# Altium PCB spin5v1_simple.PcbDoc (part 14 of 25)
Units mm, origin at the board's own origin, x right, y up, seen from the top; angles counter-clockwise.
Board outline 220.03 x 233.43 mm, 2 copper layers (TOP, BOTTOM), stack 0.176 mm thick; 1457 components, 4724 nets, 19245 pads, 25289 vias.
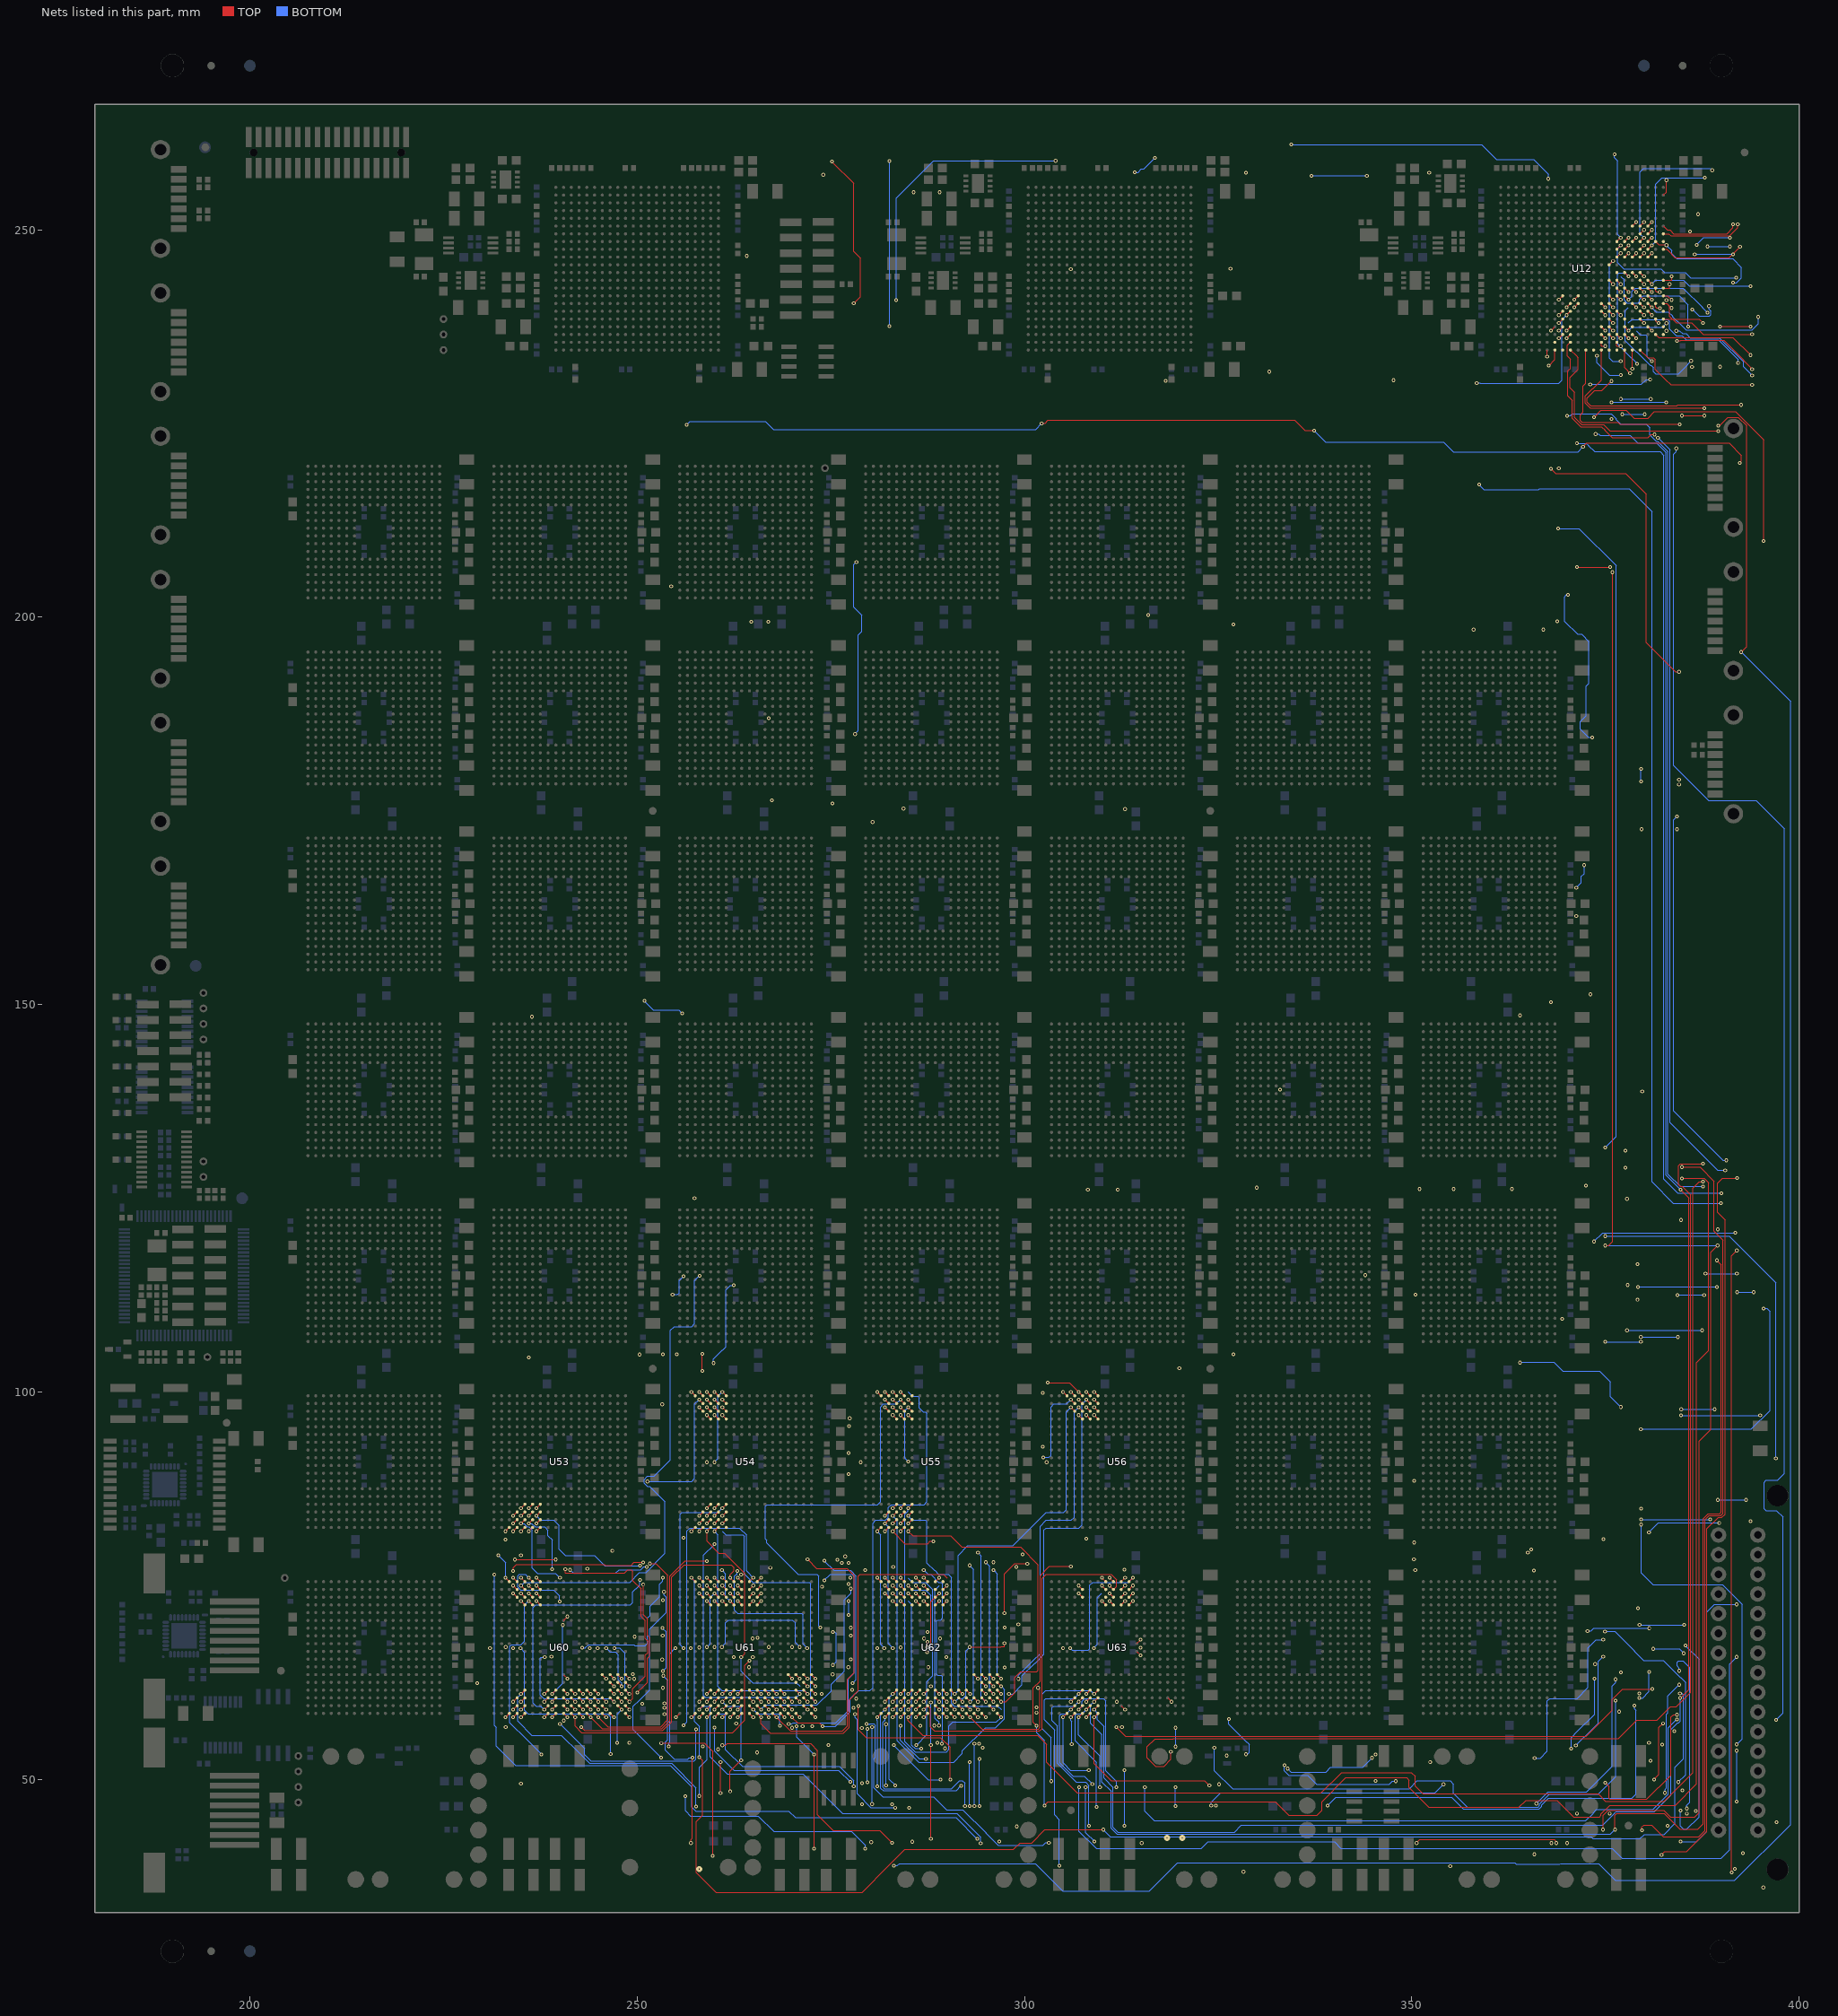
[diagram p14: the nets of this part, all layers, seen from the top]

## Via types
v1: diameter 0.48, hole 0.25, TOP to BOTTOM, 22348 vias
v2: diameter 0.61, hole 0.3, TOP to BOTTOM, 2059 vias
v3: diameter 0.8, hole 0, TOP to BOTTOM, 882 vias

## Nets (pads, with @x,y where several pads share a name; then routed paths per layer and width w, separated by ;. In a path a pad name is that pad's centre, name@x,y a point inside that pad or via, vN(x,y) a via of type N, cw(c..) or ccw(c..) an arc to the next point about the centre after c; other vN are vias at no path point) (continued)
S34_L4<14>: U12.AB12 U63.B5 | length 232.5
  TOP w0.127: v1(301.581,56.913) 301.15,57.344 301.15,61.793 302.027,62.67 302.027,76.252 303.234,77.459 v1(306,77.459) ; v1(302.603,46.6) 303.067,47.064 332.425,47.064 334.162,45.327 337.761,45.327 338.411,45.977 338.411,47.101 341.504,50.194 349.341,50.194 349.646,49.889 349.646,48.957 352.235,46.368 363.873,46.368 364.783,47.278 368.772,47.278 370.911,45.139 374.271,45.139 374.47,45.338 374.47,45.504 375.613,46.647 384.064,46.647 386.795,49.378 386.795,103.778 388.362,105.345 388.362,126.987 387.79,127.559 v1(384.887,127.559) ; U12.AB12@372.5,234.5 372.5,230.19 372.15,229.84 372.15,226.466 371.769,226.085 371.769,225.409 372.023,225.155 376.653,225.155 376.9,224.908 v1(384.614,224.908)
  BOTTOM w0.127: v1(301.581,56.913) 301.581,56.018 302.603,54.996 v1(302.603,46.6)
  other v1: 307,75
S34_L4<15>: U12.AB13 U63.C5
  other v1: 307,74 308.2,126.1 312.065,126.1 327,199.065 368.8,199.48 316,200.296
S34_L5<0>: U12.R9 U63.R5 | length 159.3
  BOTTOM w0.127: v1(304.506,38.835) 304.506,44.788 303.896,45.398 303.896,56.367 302.569,57.694 302.569,60.232 302.768,60.431 306.431,60.431 v1(307,61) ; v1(368.9,211.456) 371.625,211.456 376.388,206.693 376.388,132.942 v1(375,131.554) ; v1(375,120.11) 391.004,120.11 397.037,114.077 v1(397.037,91.399)
  other v1: 369,241
S34_L5<1>: U12.R11 U63.V3 | length 9.6
  BOTTOM w0.127: v1(305,58) 305,52.103 305.953,51.15 v1(308.315,51.15)
  other v1: 371,241
S34_L5<2>: U12.T10 U63.V4 | length 43.6
  BOTTOM w0.127: v1(306,58) 306,57.569 306.116,57.453 v1(306.116,54.517) ; v1(334.445,261.03) 359.021,261.03 360.976,259.075 365.737,259.075 367.642,257.17 v1(367.642,256.607) ; v1(386.8,248.065) 387.732,248.997 v1(391.1,248.997)
  other v1: 370,240
S34_L5<3>: U12.T11 U63.U4 | length 56.9
  BOTTOM w0.127: v1(306,59) 305.431,58.431 304.768,58.431 304.569,58.232 304.569,52.112 306.284,50.397 307.748,50.397 v1(308.765,49.38) ; v1(370.2,202.902) 370.009,202.902 369.769,202.662 369.769,199.474 371.42,197.823 371.943,197.823 372.896,196.87 372.896,191.47 372.53,191.104 372.53,187.299 371.754,186.523 371.754,185.577 372.834,184.497 v1(373.317,184.497) ; v1(371.252,165.085) 371.922,165.755 371.922,166.526 372.274,166.878 v1(372.274,168) ; v1(373.542,119.409) 374.674,120.541 v1(391.78,120.541)
  other v1: 391.75,38.435 354.978,38.766 372.516,126.639 369,219.24 371,240
S34_L5<4>: U12.U9 U63.T4
  other v1: 306,60 379.231,72.092 379.613,84.921 379.17,111.896 377.9,113.798 377.601,128.94 377.581,131.14 369,239
S34_L5<5>: U12.U10 U63.V5 | length 150.5
  BOTTOM w0.127: v1(307,58) 307,55.72 309.751,52.969 v1(309.751,48.965) ; v1(358.4,230.23) 358.831,230.23 358.89,230.171 368.986,230.171 369.431,230.616 369.431,238.431 v1(370,239) ; v1(358.717,217.131) 359.348,216.5 366.39,216.5 366.506,216.616 378.075,216.616 381.06,213.631 381.06,127.097 383.791,124.366 v1(389.932,124.366)
S34_L5<6>: U12.V9 U63.U5 | length 26.5
  BOTTOM w0.127: v1(307,59) 307.431,59.431 307.431,60.05 307.812,60.431 310.195,60.431 310.513,60.113 310.513,51.063 310.91,50.666 310.93,50.666 311.883,49.713 v1(311.883,48.98) ; v1(379.21,113.541) v1(389.4,113.541)
  other v1: 315.141,41.765 370.065,41.765 375.8,225.586 369,238
S34_L5<7>: U12.W9 U63.T5 | length 135.9
  BOTTOM w0.127: v1(307,60) 306.431,59.431 303.768,59.431 303.569,59.232 303.569,57.539 304.253,56.855 304.253,52.048 306.666,49.635 307.889,49.635 308.334,49.19 v1(308.334,44) ; v1(370.054,226.016) 370.485,226.016 370.709,226.24 375.802,226.24 376.437,225.605 376.437,225.48 377.009,224.908 380.311,224.908 380.756,224.463 380.756,223.566 381.582,222.74 381.754,222.74 383.088,221.406 383.088,128.109 384.676,126.521 v1(387.6,126.521)
  other v1: 383.063,43.987 369,237
S34_L5<8>: U12.W10 U63.R7 | length 74.9
  BOTTOM w0.127: v1(303.465,49.75) 303.465,55.373 302.315,56.523 302.315,60.986 302.76,61.431 308.569,61.431 v1(309,61) ; v1(373.931,233.754) 373.931,232.849 375.519,231.261 v1(377.001,231.261) ; v1(377.001,228.18) v1(380.871,228.18) ; v1(384.256,174.284) 383.825,173.853 383.825,136.24 390.175,129.89 v1(390.637,129.89)
  other v1: 324.733,46.6 370,237
S34_L5<9>: U12.Y9 U63.V6 | length 12.2
  BOTTOM w0.127: v1(373.05,230.061) 379.643,230.061 380.273,230.691 v1(380.806,230.691) ; v1(379.402,60.478) 379.835,60.478 380.661,61.304 v1(380.661,63.839)
  other v1: 308,58 369,236
S34_L5<10>: U12.Y10 U63.U6 | length 128.2
  BOTTOM w0.127: v1(308,59) 307.431,58.431 306.768,58.431 306.569,58.232 306.569,54.958 309.32,52.207 v1(309.32,46.425) ; v1(371.326,222.448) 372.557,222.448 372.811,222.194 372.811,222.164 373.605,221.37 382.072,221.37 382.58,220.862 382.58,127.437 384.358,125.659 v1(390.013,125.659)
  other v1: 370,236
S34_L5<11>: U12.AA8 U63.T6 | length 29
  TOP w0.127: v1(371.343,206.465) v1(375.613,206.465) ; v1(375.8,230.492) 375.262,229.954 375.262,229.952 374.563,229.253 373.622,229.253 372.669,228.3 372.669,227.763 373.114,227.318 384.262,227.318 384.362,227.418 v1(392.558,227.418)
  other v1: 312.6,56.715 308,60
S34_L5<12>: U12.AA10 U63.R6 | length 30.5
  TOP w0.127: U12.AA10@370.5,235.5 370.108,235.108 370.108,233.704 370.496,233.316 370.496,232.128 370.18,231.812 370.18,228.593 370.75,228.023 370.75,225.675 371.83,224.595 374.495,224.595 374.94,224.15 374.94,224.137 375.893,223.184 380.497,223.184 380.914,223.601 v1(381.345,223.601)
  BOTTOM w0.127: v1(372.715,69.12) 373.146,69.12 373.525,69.499 v1(380.69,69.499)
  other v1: 308,61
S34_L5<13>: U12.AB8 U63.V7 | length 80.6
  TOP w0.127: v1(309,58) 309,52.034 311.223,49.811 323.264,49.811 v1(323.895,49.18) ; v1(368,219.152) 368.582,218.57 377.624,218.57 380.291,215.903 380.291,196.709 384.038,192.962 v1(384.519,192.962) ; v1(374.976,49.55) 375.486,49.04 375.486,47.536 375.613,47.409 380.376,47.409 383.488,50.521 383.488,58.006 383.806,58.324 v1(384.253,58.324)
  other v1: 367.699,232.468 367.5,233.625 368,237
S34_L5<14>: U12.AB9 U63.U7 | length 276.1
  TOP w0.127: v1(384.684,60.478) 385.779,61.573 385.779,125.041 v1(384.73,126.09)
  BOTTOM w0.127: v1(309,59) 309.431,58.569 309.431,57.658 310.259,56.83 310.259,50.158 311.452,48.965 311.452,43.804 312.087,43.169 327.119,43.169 328.001,44.051 374.673,44.051 376.261,45.639 376.261,45.691 376.388,45.818 381.321,45.818 383.48,47.977 383.48,56.397 384.369,57.286 384.485,57.286 384.684,57.485 v1(384.684,60.478) ; v1(373.747,223.656) 374.178,223.656 374.355,223.479 378.204,223.479 379.197,222.486 381.627,222.486 382.834,221.279 382.834,127.986 v1(384.73,126.09)
  other v1: 313,59
S34_L5<15>: U12.AB10 U63.T7 | length 201.6
  TOP w0.127: U12.AB10@370.5,234.5 371.236,233.764 371.242,233.764 371.496,233.51 371.496,231.993 370.434,230.931 370.434,229.609 371.004,229.039 371.004,225.802 371.957,224.849 374.797,224.849 375.194,224.452 375.194,224.443 375.591,224.046 v1(389.6,224.046) ; v1(376.26,43.498) 376.26,45.365 376.459,45.564 382.598,45.564 384.619,43.543 386.927,43.543 387.626,44.242 387.626,83.648 388.261,84.283 389.764,84.283 389.963,84.482 389.963,116.43 v1(389.404,116.989)
  BOTTOM w0.127: v1(309,60) 308.568,59.568 308.568,57.201 310.005,55.764 310.005,49.65 311.198,48.457 311.198,43.677 311.96,42.915 375.677,42.915 v1(376.26,43.498)
S35_L0<0>: U62.R11 U63.D11
  other v1: 290,61 314,73
S35_L0<1>: U62.V10 U63.A10
  other v1: 289,58 313,76
S35_L0<2>: U62.U10 U63.B10
  other v1: 289,59 313,75
S35_L0<3>: U62.T10 U63.C10 | length 8.6
  TOP w0.127: v1(297.431,71.43) 297.431,76.489 298.765,77.823 v1(300.375,77.823)
  other v1: 289,60 313,74 312.931,77.062
S35_L0<4>: U62.R10 U63.D10
  other v1: 289,61 313,73
S35_L0<5>: U62.V11 U63.A11 | length 16.9
  BOTTOM w0.127: v1(305.901,66.931) 306.196,66.636 308.232,66.636 308.431,66.835 308.431,75.05 308.812,75.431 313.431,75.431 v1(314,76)
  other v1: 290,58 319,60 315,66 315,68
S35_L0<6>: U62.U11 U63.B11
  other v1: 290,59 314.992,66.965 314,75
S35_L0<7>: U62.T11 U63.C11
  other v1: 290,60 314,74
S35_L0<8>: U62.R9 U63.D9
  other v1: 287,61 311,73
S35_L0<9>: U62.V8 U63.A8
  other v1: 286,58 310,76
S35_L0<10>: U62.U8 U63.B8
  other v1: 286,59 289.912,65.742 310,75
S35_L0<11>: U62.T8 U63.C8 | length 7.5
  BOTTOM w0.127: v1(308.966,66.931) 309.431,67.396 309.431,73.431 310,74
  other v1: 286.571,56.9 286,60
S35_L0<12>: U62.R8 U63.D8
  other v1: 286,61 310,73
S35_L0<13>: U62.V9 U63.A9
  other v1: 287,58 311.931,60 311,76
S35_L0<14>: U62.U9 U63.B9 | length 48.5
  TOP w0.127: U62.U9@287.5,59.5 287.891,59.109 287.891,56.736 288.399,56.228 301.963,56.228 302.281,56.546 302.281,75.923 302.789,76.431 311.192,76.431 311.891,75.732 311.891,74.891 U63.B9@311.5,74.5
  other v1: 287,59 311,75
S35_L0<15>: U62.T9 U63.C9
  other v1: 287,60 311,74
S35_L1<0>: U56.D7 U62.V16
  other v1: 295,58 297.446,69.57 302.393,92.935 309,97
S35_L1<1>: U56.A6 U62.V14 | length 14.9
  TOP w0.127: v1(293,58) 294.518,56.482 301.813,56.482 302.012,56.681 302.012,61.557 v1(301.769,61.8)
  other v1: 302.393,99.862 308,100
S35_L1<2>: U56.B6 U62.U14 | length 45
  BOTTOM w0.127: v1(298,61) 298.499,61 299.706,62.207 299.706,63.331 301.357,64.982 301.392,64.982 302.535,66.125 302.535,82.177 302.789,82.431 307.05,82.431 307.431,82.812 307.431,98.431 v1(308,99)
  other v1: 293,59
S35_L1<3>: U56.C6 U62.T14 | length 18
  BOTTOM w0.127: v1(292.931,77.6) 293.432,77.099 293.432,60.432 v1(293,60)
  other v1: 308.001,81.044 308,98
S35_L1<4>: U56.D6 U62.R14
  other v1: 293,61 308,97
S35_L1<5>: U56.A7 U62.V15
  other v1: 294,58 301.581,59.278 302.867,90.931 309,100
S35_L1<6>: U56.B7 U62.U15
  other v1: 294,59 309,99
S35_L1<7>: U56.C7 U62.T15
  other v1: 294,60 309,98
S35_L1<8>: U56.D5 U62.R13
  other v1: 292,61 307,97
S35_L1<9>: U56.A3 U62.V12
  other v1: 305,100
S35_L1<10>: U56.A4 U62.U12
  other v1: 291,59 306,100
S35_L1<11>: U56.B4 U62.T12 | length 23.5
  TOP w0.127: v1(292.95,67.069) 296.975,67.069 297.041,67.135 297.431,67.135 v1(297.431,67.566)
  BOTTOM w0.127: v1(291,60) 291.431,60.431 292.051,60.431 292.432,60.812 292.432,66.551 v1(292.95,67.069) ; v1(302.437,91.538) 303.177,91.538 303.431,91.792 303.431,98.05 303.812,98.431 305.431,98.431 v1(306,99)
S35_L1<12>: U56.C4 U62.R12 | length 48
  BOTTOM w0.127: v1(291,61) 291.432,61.432 291.432,78.902 292.702,80.172 298.534,80.172 301.138,82.776 301.138,82.78 302.789,84.431 305.051,84.431 305.432,84.812 305.432,97.432 v1(306,98)
S35_L1<13>: U56.A5 U62.V13 | length 4.5
  TOP w0.127: v1(303,101.2) 305.8,101.2 v1(307,100)
  other v1: 292,58 301.581,58.6
S35_L1<14>: U56.B5 U62.U13
  other v1: 292,59 305,66.931 307,99
S35_L1<15>: U56.C5 U62.T13 | length 40.2
  BOTTOM w0.127: v1(299.227,62.958) 299.227,63.419 301.132,65.324 301.138,65.324 302.027,66.213 302.027,82.637 302.821,83.431 306.05,83.431 306.431,83.812 306.431,97.431 v1(307,98)
  other v1: 292,60
S35_L2<0>: U55.R5 U62.R16
  other v1: 295,61 296,78.006 283,85
S35_L2<1>: U55.V3 U62.N15 | length 15.4
  BOTTOM w0.127: v1(281,82) 281.431,81.569 281.431,67.401 v1(281.901,66.931)
  other v1: 294,63 287.048,68.172
S35_L2<2>: U55.V4 U62.N16
  other v1: 295,63 281,66.931 282,82
S35_L2<3>: U55.U4 U62.N17 | length 16.5
  BOTTOM w0.127: v1(282,83) 282.432,82.568 282.432,67.499 v1(283,66.931)
  other v1: 296,63
S35_L2<4>: U55.T4 U62.N18 | length 14.4
  BOTTOM w0.127: v1(296.012,77) 296.5,76.512 296.5,63.5 v1(297,63)
  other v1: 282,84
S35_L2<5>: U55.V5 U62.P16 | length 6
  TOP w0.127: v1(283,82) 284.589,80.411 287.539,80.411 287.831,80.703 v1(288.262,80.703)
  other v1: 287.931,62 295,62
S35_L2<6>: U55.U5 U62.P17
  other v1: 296,62 283,83
S35_L2<7>: U55.T5 U62.P18 | length 51.2
  BOTTOM w0.127: v1(283,84) 283.569,83.431 283.569,54.983 286.363,52.189 290.852,52.189 291.995,53.332 291.995,53.681 294.98,56.666 296.289,56.666 297.432,57.809 297.432,61.568 v1(297,62)
S35_L2<8>: U55.R7 U62.V18 | length 46.9
  BOTTOM w0.127: v1(285,85) 285,84.609 284.569,84.178 284.569,54.867 285.903,53.533 289.941,53.533 290.259,53.851 290.259,56.895 290.767,57.403 296.403,57.403 v1(297,58)
  other v1: 291,58
S35_L2<9>: U55.V6 U62.R17 | length 17.4
  BOTTOM w0.127: v1(295,78.006) 295.5,77.506 295.5,61.5 v1(296,61)
  other v1: 284,82
S35_L2<10>: U55.U6 U62.R18
  other v1: 297,61 289.12,68.172 284,83
S35_L2<11>: U55.T6 U62.T16 | length 19.7
  BOTTOM w0.127: v1(294,79.265) 294.431,78.834 294.431,60.569 v1(295,60)
  other v1: 284,84
S35_L2<12>: U55.R6 U62.T17
  other v1: 296,60 297.463,64.438 284,85
S35_L2<13>: U55.V7 U62.T18 | length 39.8
  TOP w0.127: v1(285,82) 285.597,81.403 290.496,81.403 291.949,79.95 299.487,79.95 301.773,77.664 301.773,64.065 301.574,63.866 299.516,63.866 298.754,63.104 298.754,61.143 297.611,60 v1(297,60)
S35_L2<14>: U55.U7 U62.U17
  other v1: 296,59 299.226,70 299.768,79.035 285,83
S35_L2<15>: U55.T7 U62.U18 | length 35
  BOTTOM w0.127: v1(285,84) 285.569,83.431 287.232,83.431 287.431,83.232 287.431,77.892 288.384,76.939 288.426,76.939 288.934,76.431 290.18,76.431 290.561,76.05 290.561,59.828 290.958,59.431 296.569,59.431 297,59
S35_L4<0>: U12.M16 U62.D7 | length 69.5
  BOTTOM w0.127: 285,73 285.431,72.569 285.431,54.409 285.876,53.964 v1(286.685,53.964) ; v1(292.929,46.546) v1(292.929,52.191) ; 377,244 377.432,243.568 377.432,240.95 377.813,240.569 379.232,240.569 379.431,240.768 379.431,241.051 379.876,241.496 384.562,241.496 385.705,240.353 v1(385.705,237.54) ; v1(384.711,45.97) 384.711,43.94 385.108,43.543 385.53,43.543 387.118,45.131 387.118,65.492 v1(385.348,67.262)
S35_L4<1>: U12.N16 U62.A6
  other v1: 284,76 377,243 306,244.931 326.609,245
S35_L4<2>: U12.P16 U62.B6 | length 24.3
  BOTTOM w0.127: v1(277.317,71.201) v1(277.317,73) ; v1(278.138,58.4) 278.138,57.969 278.401,57.706 278.401,48.101 280.179,46.323 v1(283.336,46.323) ; v1(319.513,46.549) v1(319.513,48.98) ; v1(386.246,239.74) 387.116,238.87 388.432,238.87 388.631,239.069 388.631,239.501 388.4,239.732 v1(388.4,240.163)
  other v1: 284,75 377,242
S35_L4<3>: U12.P17 U62.C6 | length 22.6
  BOTTOM w0.127: v1(319.531,54.203) v1(319.531,56.642) ; v1(333.569,51.794) v1(333.569,51.794) 333.568,51.083 334.16,50.491 336.583,50.491 337.744,49.33 347.083,49.33 347.503,49.75 v1(347.934,49.75) ; v1(381.179,66.831) 384.571,66.831 v1(385.148,66.254)
  other v1: 284,74 378,242
S35_L4<4>: U12.R16 U62.D6 | length 19.9
  BOTTOM w0.127: v1(275.267,64.741) 275.698,65.172 275.698,68.783 275.458,69.023 v1(275.267,69.023) ; v1(284,56.9) 284,55.033 286.413,52.62 v1(287.292,52.62) ; v1(294.2,46.546) v1(294.2,52.62) ; v1(388.201,247.865) v1(391.1,247.865)
  other v1: 284,73 377,241
S35_L4<5>: U12.R17 U62.A7 | length 63.4
  BOTTOM w0.127: v1(283.138,54.395) 287.599,49.934 v1(289.161,49.934) ; 285,76 285.569,75.431 287.219,75.431 288.172,74.478 288.172,63.355 287.431,62.614 287.431,55.771 v1(286.055,54.395) ; v1(378,241) 378.432,241.432 378.432,242.051 378.877,242.496 385.062,242.496 387.539,240.019 387.539,239.962 v1(388.2,239.301) ; v1(382.697,48.235) 382.697,48.666 382.899,48.868 382.899,58.392 383.072,58.565 383.072,60.729 v1(384.543,62.2) ; v1(384.313,112.503) v1(387.766,112.503)
S35_L4<6>: U12.T17 U62.B7 | length 97.7
  BOTTOM w0.127: v1(282.137,49.208) v1(282.137,57.107) ; v1(285,75) 285.569,74.431 287.219,74.431 287.918,73.732 287.918,66.88 v1(287.434,66.396) ; v1(324.126,46.6) 324.126,47.05 325.333,48.257 353.024,48.257 v1(354.117,49.35) ; v1(365.88,52.724) 366.611,52.724 367.5,53.613 367.5,60.113 367.818,60.431 371.349,60.431 372.746,61.828 372.746,66.92 373.826,68 v1(374.742,68) ; v1(377.8,107.941) v1(387.487,107.941) ; 378,240 377.568,239.568 377.568,235.716 379.029,234.255 379.077,234.255 380.526,232.806 380.551,232.806 380.823,232.534 380.919,232.534 381.237,232.216 381.237,231.693 381.491,231.439 384.486,231.439 385.693,232.646 385.693,232.706 v1(386.087,233.1)
S35_L4<7>: U12.U16 U62.C7 | length 16.6
  BOTTOM w0.127: v1(364,103.771) 364.084,103.855 368.362,103.855 369.124,103.093 369.124,103.064 369.521,102.667 374.288,102.667 375.685,101.27 375.685,99.37 v1(377.001,98.054)
  other v1: 285,74 377,239
S35_L4<8>: U12.V17 U62.D5 | length 50.5
  BOTTOM w0.127: v1(287,77) 287.569,76.431 287.926,76.431 288.926,75.431 289.232,75.431 289.431,75.232 289.431,70.82 289.177,70.566 288.789,70.566 288.689,70.466 288.689,63.531 288.789,63.431 289.232,63.431 289.431,63.232 289.431,55.098 289.353,55.02 v1(289.353,54.589) ; v1(293.536,46.546) v1(293.536,54.589) ; 378,238 378.431,238.431 383.078,238.431 383.332,238.177 383.332,237.189 384.158,236.363 384.913,236.363 385.456,235.82 389.616,235.82 392.156,233.28 v1(392.156,232.847)
  other v1: 283,73
S35_L4<9>: U12.W17 U62.A3 | length 56.9
  BOTTOM w0.127: v1(278.138,184.916) 278.569,185.347 278.569,197.739 279.001,198.171 279.001,200.234 277.962,201.273 277.962,206.782 v1(278.315,207.135) ; v1(282.586,237.597) v1(282.586,258.9) ; v1(337.055,256.994) v1(344.223,256.994) ; v1(378,237) 378.431,237.431 382.366,237.431 v1(382.901,237.966)
  other v1: 281,76
S35_L4<10>: U12.Y16 U62.A4
  other v1: 282,76 373.064,151.324 371.267,161.442 313,175.242 284.4,175.297 358,198.407 367,198.407 318.233,230.515 347.654,230.607 331.602,231.697 377,236
S35_L4<11>: U12.Y17 U62.B4
  other v1: 282,75 351,126.185 355.431,126.185 362.966,126.185 333,139.035 364,148.607 368,150.293 280.4,173.564 378,236
S35_L4<12>: U12.AA16 U62.C4 | length 69.8
  BOTTOM w0.127: v1(324.526,54.054) 324.526,51.105 326.876,48.755 349.693,48.755 350.719,49.781 354.964,49.781 355.409,49.336 355.409,48.194 357.187,46.416 366.338,46.416 366.537,46.615 366.537,46.81 367.807,48.08 374.123,48.08 376.346,50.303 v1(376.346,60.124)
  other v1: 288.746,54.707 282,74 377,235 378,244
S35_L4<13>: U12.AA18 U62.A5
  other v1: 283,76 350.295,78.389 365.43,79.672
S35_L4<14>: U12.AB17 U62.B5
  other v1: 283,75 320,103.071 327,104.842 369.431,109.43 350.514,112.535 344,115.068 329.999,126.358 378.216,231.491
S35_L4<15>: U12.AB18 U62.C5 | length 18.5
  TOP w0.127: v1(350.642,41.765) 351.073,42.196 368.425,42.196 368.665,41.956 v1(368.665,41.765)
  other v1: 283,74 298.968,77.392 378.5,232.098
S35_L5<0>: U12.L15 U62.R5 | length 39.1
  BOTTOM w0.127: v1(283,61) 282.568,60.568 282.568,49.977 v1(283.337,49.208) ; v1(376,246) 375.568,245.568 375.568,233.443 375.949,233.062 v1(377,233.062) ; v1(377.211,226.201) v1(380.071,226.201) ; v1(380.636,81.866) 381.86,83.09 v1(389.724,83.09)
S35_L5<1>: U12.N15 U62.V3 | length 8.9
  BOTTOM w0.127: v1(281,58) 281,57.569 281.021,57.548 v1(281.021,49.09)
  other v1: 376,243
S35_L5<2>: U12.R15 U62.V4 | length 51.5
  BOTTOM w0.127: v1(282,58) 282,57.538 281.905,57.538 281.706,57.339 281.706,48.976 281.905,48.777 290.594,48.777 291.652,49.835 292.004,49.835 292.322,49.517 v1(292.322,46.546) ; v1(379.594,107.079) v1(384.37,107.079) ; v1(379.613,178.822) v1(379.613,180.422) ; v1(384.543,63.993) 384.543,64.424 384.489,64.424 384.29,64.623 384.29,65.086 384.489,65.285 385.025,65.285 385.914,64.396 385.914,47.043 385.518,46.647 v1(385.518,46.216)
  other v1: 376,241
S35_L5<3>: U12.T14 U62.U4 | length 111
  BOTTOM w0.127: v1(282,59) 281.452,58.452 281.452,48.841 281.77,48.523 291.203,48.523 v1(291.83,49.15) ; v1(315.541,48.98) 315.541,45.871 316.781,44.631 372.485,44.631 373.438,45.584 373.438,45.627 373.883,46.072 381.184,46.072 383.153,48.041 383.153,56.617 v1(384.253,57.717) ; v1(375.8,227.749) v1(382.865,227.749)
  other v1: 375,240
S35_L5<4>: U12.T15 U62.T4
  other v1: 289.753,53.982 282,60 384.52,178.418 382.901,236.971 376,240
S35_L5<5>: U12.U14 U62.V5
  other v1: 368.058,41.765 296.773,41.965 283,58 379.17,116.485 384.77,122.192 377.8,124.916 379.68,172.63 384.256,172.63 375,239
S35_L5<6>: U12.U15 U62.U5 | length 63.2
  BOTTOM w0.127: v1(280.336,46.8) v1(280.336,56.707) ; v1(339.162,46.6) 340.217,47.655 355.157,47.655 356.65,46.162 366.473,46.162 366.791,46.48 366.791,46.683 367.68,47.572 378.438,47.572 378.946,48.08 378.946,58.916 378.769,59.093 v1(378.769,59.524)
  other v1: 283,59 376,239
S35_L5<7>: U12.V15 U62.T5 | length 33.3
  BOTTOM w0.127: v1(279.729,49.608) v1(279.729,56.507) ; v1(374.959,69.062) 376.258,69.062 378.798,66.522 378.798,66.489 379.941,65.346 382.476,65.346 384.683,63.139 384.734,63.139 385.369,62.504 385.369,50.577 v1(384.427,49.635)

## Text inside footprints (layer, text, board x,y; h text height)
U12: PIN_NUMBER "B14" at 373.54,254.75 h0.8; PIN_NUMBER "A14" at 373.54,255.75 h0.8; PIN_NUMBER "D13" at 372.54,252.75 h0.8; PIN_NUMBER "C13" at 372.54,253.75 h0.8; PIN_NUMBER "C3" at 362.86,253.75 h0.8; PIN_NUMBER "Y19" at 378.54,236.75 h0.8; PIN_NUMBER "AA21" at 380.22,235.75 h0.8; PIN_NUMBER "V18" at 377.54,238.75 h0.8; PIN_NUMBER "V20" at 379.54,238.75 h0.8; PIN_NUMBER "Y4" at 363.86,236.75 h0.8; PIN_NUMBER "F17" at 376.54,250.75 h0.8; PIN_NUMBER "V6" at 365.86,238.75 h0.8; PIN_NUMBER "U11" at 370.54,239.75 h0.8; PIN_NUMBER "R6" at 365.86,241.75 h0.8; PIN_NUMBER "R10" at 369.54,241.75 h0.8; PIN_NUMBER "R12" at 371.54,241.75 h0.8; PIN_NUMBER "M15" at 374.54,244.75 h0.8; PIN_NUMBER "L8" at 367.86,245.75 h0.8; PIN_NUMBER "K15" at 374.54,246.75 h0.8; PIN_NUMBER "H9" at 368.86,248.75 h0.8; PIN_NUMBER "G12" at 371.54,249.75 h0.8; PIN_NUMBER "H15" at 374.54,248.75 h0.8; PIN_NUMBER "F11" at 370.54,250.75 h0.8; PIN_NUMBER "N8" at 367.86,243.75 h0.8; PIN_NUMBER "G17" at 376.54,249.75 h0.8; PIN_NUMBER "B16" at 375.54,254.75 h0.8; PIN_NUMBER "A16" at 375.54,255.75 h0.8; PIN_NUMBER "D15" at 374.54,252.75 h0.8; PIN_NUMBER "C15" at 374.54,253.75 h0.8; PIN_NUMBER "AA3" at 362.54,235.75 h0.8; PIN_NUMBER "AB20" at 379.22,234.75 h0.8; PIN_NUMBER "E9" at 368.86,251.75 h0.8; PIN_NUMBER "E12" at 371.54,251.75 h0.8; PIN_NUMBER "C11" at 370.54,253.75 h0.8; PIN_NUMBER "F12" at 371.54,250.75 h0.8; PIN_NUMBER "D11" at 370.54,252.75 h0.8; PIN_NUMBER "AB2" at 361.54,234.75 h0.8; PIN_NUMBER "G16" at 375.54,249.75 h0.8; PIN_NUMBER "AB21" at 380.22,234.75 h0.8; PIN_NUMBER "AA20" at 379.22,235.75 h0.8; PIN_NUMBER "Y20" at 379.54,236.75 h0.8; PIN_NUMBER "U18" at 377.54,239.75 h0.8; PIN_NUMBER "L16" at 375.54,245.75 h0.8; PIN_NUMBER "J18" at 377.54,247.75 h0.8; PIN_NUMBER "E19" at 378.54,251.75 h0.8; PIN_NUMBER "B4" at 363.86,254.75 h0.8; PIN_NUMBER "F6" at 365.86,250.75 h0.8; PIN_NUMBER "G10" at 369.54,249.75 h0.8; PIN_NUMBER "G14" at 373.54,249.75 h0.8; PIN_NUMBER "E17" at 376.54,251.75 h0.8; PIN_NUMBER "B19" at 378.54,254.75 h0.8; PIN_NUMBER "U5" at 364.86,239.75 h0.8; PIN_NUMBER "L7" at 366.86,245.75 h0.8; PIN_NUMBER "J5" at 364.86,247.75 h0.8; PIN_NUMBER "F4" at 363.86,250.75 h0.8; PIN_NUMBER "W5" at 364.86,237.75 h0.8; PIN_NUMBER "V8" at 367.86,238.75 h0.8; PIN_NUMBER "T9" at 368.86,240.75 h0.8; PIN_NUMBER "V12" at 371.54,238.75 h0.8; PIN_NUMBER "T13" at 372.54,240.75 h0.8; PIN_NUMBER "V16" at 375.54,238.75 h0.8; PIN_NUMBER "C2" at 361.86,253.75 h0.8; PIN_NUMBER "AA11" at 370.22,235.75 h0.8; PIN_NUMBER "R21" at 380.54,241.75 h0.8; PIN_NUMBER "W2" at 361.86,237.75 h0.8; PIN_NUMBER "R2" at 361.86,241.75 h0.8; PIN_NUMBER "L2" at 361.86,245.75 h0.8; PIN_NUMBER "AA19" at 378.22,235.75 h0.8; PIN_NUMBER "L21" at 380.54,245.75 h0.8; PIN_NUMBER "AB3" at 362.54,234.75 h0.8; PIN_NUMBER "G2" at 361.86,249.75 h0.8; PIN_NUMBER "W21" at 380.54,237.75 h0.8; PIN_NUMBER "G21" at 380.54,249.75 h0.8; PIN_NUMBER "C21" at 380.54,253.75 h0.8; PIN_NUMBER "AA15" at 374.22,235.75 h0.8; PIN_NUMBER "AA7" at 366.54,235.75 h0.8; PIN_NUMBER "N18" at 377.54,243.75 h0.8; PIN_NUMBER "N5" at 364.86,243.75 h0.8; PIN_NUMBER "E8" at 367.86,251.75 h0.8; PIN_NUMBER "D8" at 367.86,252.75 h0.8; PIN_NUMBER "D12" at 371.54,252.75 h0.8; PIN_NUMBER "E13" at 372.54,251.75 h0.8; PIN_NUMBER "D14" at 373.54,252.75 h0.8; PIN_NUMBER "A7" at 366.86,255.75 h0.8; PIN_NUMBER "B9" at 368.86,254.75 h0.8; PIN_NUMBER "C10" at 369.54,253.75 h0.8; PIN_NUMBER "B13" at 372.54,254.75 h0.8; PIN_NUMBER "A15" at 374.54,255.75 h0.8; PIN_NUMBER "E10" at 369.54,251.75 h0.8; PIN_NUMBER "J10" at 369.54,247.75 h0.8; PIN_NUMBER "J12" at 371.54,247.75 h0.8; PIN_NUMBER "J14" at 373.54,247.75 h0.8; PIN_NUMBER "J8" at 367.86,247.75 h0.8; PIN_NUMBER "K11" at 370.54,246.75 h0.8; PIN_NUMBER "K13" at 372.54,246.75 h0.8; PIN_NUMBER "K9" at 368.86,246.75 h0.8; PIN_NUMBER "L10" at 369.54,245.75 h0.8; PIN_NUMBER "L12" at 371.54,245.75 h0.8; PIN_NUMBER "L14" at 373.54,245.75 h0.8; PIN_NUMBER "M11" at 370.54,244.75 h0.8; PIN_NUMBER "M13" at 372.54,244.75 h0.8; PIN_NUMBER "M9" at 368.86,244.75 h0.8; PIN_NUMBER "P11" at 370.54,242.75 h0.8; PIN_NUMBER "P13" at 372.54,242.75 h0.8; PIN_NUMBER "P9" at 368.86,242.75 h0.8; PIN_NUMBER "R14" at 373.54,241.75 h0.8; PIN_NUMBER "N10" at 369.54,243.75 h0.8; PIN_NUMBER "N12" at 371.54,243.75 h0.8; PIN_NUMBER "N14" at 373.54,243.75 h0.8; PIN_NUMBER "D20" at 379.54,252.75 h0.8; PIN_NUMBER "E18" at 377.54,251.75 h0.8; PIN_NUMBER "A21" at 380.54,255.75 h0.8; PIN_NUMBER "D19" at 378.54,252.75 h0.8; PIN_NUMBER "D18" at 377.54,252.75 h0.8; PIN_NUMBER "C22" at 381.54,253.75 h0.8; PIN_NUMBER "C20" at 379.54,253.75 h0.8; PIN_NUMBER "C19" at 378.54,253.75 h0.8; PIN_NUMBER "C18" at 377.54,253.75 h0.8; PIN_NUMBER "B22" at 381.54,254.75 h0.8; PIN_NUMBER "B21" at 380.54,254.75 h0.8; PIN_NUMBER "B20" at 379.54,254.75 h0.8; PIN_NUMBER "F22" at 381.54,250.75 h0.8; PIN_NUMBER "F21" at 380.54,250.75 h0.8; PIN_NUMBER "E22" at 381.54,251.75 h0.8; PIN_NUMBER "E20" at 379.54,251.75 h0.8; PIN_NUMBER "D22" at 381.54,252.75 h0.8; PIN_NUMBER "D21" at 380.54,252.75 h0.8; PIN_NUMBER "A20" at 379.54,255.75 h0.8; PIN_NUMBER "L17" at 376.54,245.75 h0.8; PIN_NUMBER "K22" at 381.54,246.75 h0.8; PIN_NUMBER "K21" at 380.54,246.75 h0.8; PIN_NUMBER "K20" at 379.54,246.75 h0.8; PIN_NUMBER "K19" at 378.54,246.75 h0.8; PIN_NUMBER "K18" at 377.54,246.75 h0.8; PIN_NUMBER "K17" at 376.54,246.75 h0.8; PIN_NUMBER "K16" at 375.54,246.75 h0.8; PIN_NUMBER "J17" at 376.54,247.75 h0.8; PIN_NUMBER "M22" at 381.54,244.75 h0.8; PIN_NUMBER "M21" at 380.54,244.75 h0.8; PIN_NUMBER "M20" at 379.54,244.75 h0.8; PIN_NUMBER "L22" at 381.54,245.75 h0.8; PIN_NUMBER "L20" at 379.54,245.75 h0.8; PIN_NUMBER "L19" at 378.54,245.75 h0.8; PIN_NUMBER "J16" at 375.54,247.75 h0.8; PIN_NUMBER "H19" at 378.54,248.75 h0.8; PIN_NUMBER "H18" at 377.54,248.75 h0.8; PIN_NUMBER "H17" at 376.54,248.75 h0.8; PIN_NUMBER "H16" at 375.54,248.75 h0.8; PIN_NUMBER "G22" at 381.54,249.75 h0.8; PIN_NUMBER "G20" at 379.54,249.75 h0.8; PIN_NUMBER "G19" at 378.54,249.75 h0.8; PIN_NUMBER "F20" at 379.54,250.75 h0.8; PIN_NUMBER "F19" at 378.54,250.75 h0.8; PIN_NUMBER "J22" at 381.54,247.75 h0.8; PIN_NUMBER "J20" at 379.54,247.75 h0.8; PIN_NUMBER "J19" at 378.54,247.75 h0.8; PIN_NUMBER "H22" at 381.54,248.75 h0.8; PIN_NUMBER "H21" at 380.54,248.75 h0.8; PIN_NUMBER "H20" at 379.54,248.75 h0.8; PIN_NUMBER "F18" at 377.54,250.75 h0.8; PIN_NUMBER "W18" at 377.54,237.75 h0.8; PIN_NUMBER "V22" at 381.54,238.75 h0.8; PIN_NUMBER "V21" at 380.54,238.75 h0.8; PIN_NUMBER "V19" at 378.54,238.75 h0.8; PIN_NUMBER "U19" at 378.54,239.75 h0.8; PIN_NUMBER "T19" at 378.54,240.75 h0.8; PIN_NUMBER "T18" at 377.54,240.75 h0.8; PIN_NUMBER "R19" at 378.54,241.75 h0.8; PIN_NUMBER "P19" at 378.54,242.75 h0.8; PIN_NUMBER "AB19" at 378.22,234.75 h0.8; PIN_NUMBER "Y22" at 381.54,236.75 h0.8; PIN_NUMBER "Y21" at 380.54,236.75 h0.8; PIN_NUMBER "Y18" at 377.54,236.75 h0.8; PIN_NUMBER "W22" at 381.54,237.75 h0.8; PIN_NUMBER "W20" at 379.54,237.75 h0.8; PIN_NUMBER "P18" at 377.54,242.75 h0.8; PIN_NUMBER "R20" at 379.54,241.75 h0.8; PIN_NUMBER "P22" at 381.54,242.75 h0.8; PIN_NUMBER "P21" at 380.54,242.75 h0.8; PIN_NUMBER "P20" at 379.54,242.75 h0.8; PIN_NUMBER "N22" at 381.54,243.75 h0.8; PIN_NUMBER "N20" at 379.54,243.75 h0.8; PIN_NUMBER "N19" at 378.54,243.75 h0.8; PIN_NUMBER "M19" at 378.54,244.75 h0.8; PIN_NUMBER "M18" at 377.54,244.75 h0.8; PIN_NUMBER "U22" at 381.54,239.75 h0.8; PIN_NUMBER "U20" at 379.54,239.75 h0.8; PIN_NUMBER "T22" at 381.54,240.75 h0.8; PIN_NUMBER "T21" at 380.54,240.75 h0.8; PIN_NUMBER "T20" at 379.54,240.75 h0.8; PIN_NUMBER "R22" at 381.54,241.75 h0.8; PIN_NUMBER "M17" at 376.54,244.75 h0.8; PIN_NUMBER "W15" at 374.54,237.75 h0.8; PIN_NUMBER "W14" at 373.54,237.75 h0.8; PIN_NUMBER "V15" at 374.54,238.75 h0.8; PIN_NUMBER "U15" at 374.54,239.75 h0.8; PIN_NUMBER "U14" at 373.54,239.75 h0.8; PIN_NUMBER "T15" at 374.54,240.75 h0.8; PIN_NUMBER "T14" at 373.54,240.75 h0.8; PIN_NUMBER "R15" at 374.54,241.75 h0.8; PIN_NUMBER "N15" at 374.54,243.75 h0.8; PIN_NUMBER "AB16" at 375.22,234.75 h0.8; PIN_NUMBER "AB15" at 374.22,234.75 h0.8; PIN_NUMBER "AB14" at 373.22,234.75 h0.8; PIN_NUMBER "AA14" at 373.22,235.75 h0.8; PIN_NUMBER "Y15" at 374.54,236.75 h0.8; PIN_NUMBER "Y14" at 373.54,236.75 h0.8; PIN_NUMBER "L15" at 374.54,245.75 h0.8; PIN_NUMBER "W17" at 376.54,237.75 h0.8; PIN_NUMBER "V17" at 376.54,238.75 h0.8; PIN_NUMBER "U16" at 375.54,239.75 h0.8; PIN_NUMBER "T17" at 376.54,240.75 h0.8; PIN_NUMBER "R17" at 376.54,241.75 h0.8; PIN_NUMBER "R16" at 375.54,241.75 h0.8; PIN_NUMBER "P17" at 376.54,242.75 h0.8; PIN_NUMBER "P16" at 375.54,242.75 h0.8; PIN_NUMBER "N16" at 375.54,243.75 h0.8; PIN_NUMBER "AB18" at 377.22,234.75 h0.8; PIN_NUMBER "AB17" at 376.22,234.75 h0.8; PIN_NUMBER "AA18" at 377.22,235.75 h0.8; PIN_NUMBER "AA16" at 375.22,235.75 h0.8; PIN_NUMBER "Y17" at 376.54,236.75 h0.8; PIN_NUMBER "Y16" at 375.54,236.75 h0.8; PIN_NUMBER "M16" at 375.54,244.75 h0.8; PIN_NUMBER "Y9" at 368.86,236.75 h0.8; PIN_NUMBER "W10" at 369.54,237.75 h0.8; PIN_NUMBER "W9" at 368.86,237.75 h0.8; PIN_NUMBER "V9" at 368.86,238.75 h0.8; PIN_NUMBER "U10" at 369.54,239.75 h0.8; PIN_NUMBER "U9" at 368.86,239.75 h0.8; PIN_NUMBER "T11" at 370.54,240.75 h0.8; PIN_NUMBER "T10" at 369.54,240.75 h0.8; PIN_NUMBER "R11" at 370.54,241.75 h0.8; PIN_NUMBER "AB10" at 369.22,234.75 h0.8; PIN_NUMBER "AB9" at 368.54,234.75 h0.8; PIN_NUMBER "AB8" at 367.54,234.75 h0.8; PIN_NUMBER "AA10" at 369.22,235.75 h0.8; PIN_NUMBER "AA8" at 367.54,235.75 h0.8; PIN_NUMBER "Y10" at 369.54,236.75 h0.8; PIN_NUMBER "R9" at 368.86,241.75 h0.8; PIN_NUMBER "Y11" at 370.54,236.75 h0.8; PIN_NUMBER "W13" at 372.54,237.75 h0.8; PIN_NUMBER "W12" at 371.54,237.75 h0.8; PIN_NUMBER "W11" at 370.54,237.75 h0.8; PIN_NUMBER "V13" at 372.54,238.75 h0.8; PIN_NUMBER "V11" at 370.54,238.75 h0.8; PIN_NUMBER "U13" at 372.54,239.75 h0.8; PIN_NUMBER "T12" at 371.54,240.75 h0.8; PIN_NUMBER "AB13" at 372.22,234.75 h0.8; PIN_NUMBER "AB12" at 371.22,234.75 h0.8; PIN_NUMBER "AB11" at 370.22,234.75 h0.8; PIN_NUMBER "AA12" at 371.22,235.75 h0.8; PIN_NUMBER "Y13" at 372.54,236.75 h0.8; PIN_NUMBER "Y12" at 371.54,236.75 h0.8; PIN_NUMBER "R13" at 372.54,241.75 h0.8; PIN_NUMBER "AA2" at 361.54,235.75 h0.8; PIN_NUMBER "AA1" at 360.54,235.75 h0.8; PIN_NUMBER "Y8" at 367.86,236.75 h0.8; PIN_NUMBER "Y7" at 366.86,236.75 h0.8; PIN_NUMBER "Y6" at 365.86,236.75 h0.8; PIN_NUMBER "Y5" at 364.86,236.75 h0.8; PIN_NUMBER "Y3" at 362.86,236.75 h0.8; PIN_NUMBER "W8" at 367.86,237.75 h0.8; PIN_NUMBER "U8" at 367.86,239.75 h0.8; PIN_NUMBER "AB7" at 366.54,234.75 h0.8; PIN_NUMBER "AB6" at 365.54,234.75 h0.8; PIN_NUMBER "AB5" at 364.54,234.75 h0.8; PIN_NUMBER "AB4" at 363.54,234.75 h0.8; PIN_NUMBER "AA6" at 365.54,235.75 h0.8; PIN_NUMBER "AA4" at 363.54,235.75 h0.8; PIN_NUMBER "T8" at 367.86,240.75 h0.8; PIN_NUMBER "V7" at 366.86,238.75 h0.8; PIN_NUMBER "V5" at 364.86,238.75 h0.8; PIN_NUMBER "V3" at 362.86,238.75 h0.8; PIN_NUMBER "V2" at 361.86,238.75 h0.8; PIN_NUMBER "V1" at 360.86,238.75 h0.8; PIN_NUMBER "U6" at 365.86,239.75 h0.8; PIN_NUMBER "U4" at 363.86,239.75 h0.8; PIN_NUMBER "U3" at 362.86,239.75 h0.8; PIN_NUMBER "U1" at 360.86,239.75 h0.8; PIN_NUMBER "Y2" at 361.86,236.75 h0.8; PIN_NUMBER "Y1" at 360.86,236.75 h0.8; PIN_NUMBER "W6" at 365.86,237.75 h0.8; PIN_NUMBER "W4" at 363.86,237.75 h0.8; PIN_NUMBER "W3" at 362.86,237.75 h0.8; PIN_NUMBER "W1" at 360.86,237.75 h0.8; PIN_NUMBER "T7" at 366.86,240.75 h0.8; PIN_NUMBER "R8" at 367.86,241.75 h0.8; PIN_NUMBER "R7" at 366.86,241.75 h0.8; PIN_NUMBER "R4" at 363.86,241.75 h0.8; PIN_NUMBER "R3" at 362.86,241.75 h0.8; PIN_NUMBER "R1" at 360.86,241.75 h0.8; PIN_NUMBER "P8" at 367.86,242.75 h0.8; PIN_NUMBER "P7" at 366.86,242.75 h0.8; PIN_NUMBER "P6" at 365.86,242.75 h0.8; PIN_NUMBER "P5" at 364.86,242.75 h0.8; PIN_NUMBER "T6" at 365.86,240.75 h0.8; PIN_NUMBER "T5" at 364.86,240.75 h0.8; PIN_NUMBER "T4" at 363.86,240.75 h0.8; PIN_NUMBER "T3" at 362.86,240.75 h0.8; PIN_NUMBER "T2" at 361.86,240.75 h0.8; PIN_NUMBER "T1" at 360.86,240.75 h0.8; PIN_NUMBER "P4" at 363.86,242.75 h0.8; PIN_NUMBER "N3" at 362.86,243.75 h0.8; PIN_NUMBER "N1" at 360.86,243.75 h0.8; PIN_NUMBER "M8" at 367.86,244.75 h0.8; PIN_NUMBER "M7" at 366.86,244.75 h0.8; PIN_NUMBER "M6" at 365.86,244.75 h0.8; PIN_NUMBER "M5" at 364.86,244.75 h0.8; PIN_NUMBER "M4" at 363.86,244.75 h0.8; PIN_NUMBER "M3" at 362.86,244.75 h0.8; PIN_NUMBER "M2" at 361.86,244.75 h0.8; PIN_NUMBER "P3" at 362.86,242.75 h0.8; PIN_NUMBER "P2" at 361.86,242.75 h0.8; PIN_NUMBER "P1" at 360.86,242.75 h0.8; PIN_NUMBER "N7" at 366.86,243.75 h0.8; PIN_NUMBER "N6" at 365.86,243.75 h0.8; PIN_NUMBER "N4" at 363.86,243.75 h0.8; PIN_NUMBER "M1" at 360.86,244.75 h0.8; PIN_NUMBER "K6" at 365.86,246.75 h0.8; PIN_NUMBER "K5" at 364.86,246.75 h0.8; PIN_NUMBER "K4" at 363.86,246.75 h0.8; PIN_NUMBER "K3" at 362.86,246.75 h0.8; PIN_NUMBER "K2" at 361.86,246.75 h0.8; PIN_NUMBER "K1" at 360.86,246.75 h0.8; PIN_NUMBER "J7" at 366.86,247.75 h0.8; PIN_NUMBER "J6" at 365.86,247.75 h0.8; PIN_NUMBER "J4" at 363.86,247.75 h0.8; PIN_NUMBER "L6" at 365.86,245.75 h0.8; PIN_NUMBER "L4" at 363.86,245.75 h0.8; PIN_NUMBER "L3" at 362.86,245.75 h0.8; PIN_NUMBER "L1" at 360.86,245.75 h0.8; PIN_NUMBER "K8" at 367.86,246.75 h0.8; PIN_NUMBER "K7" at 366.86,246.75 h0.8; PIN_NUMBER "J3" at 362.86,247.75 h0.8; PIN_NUMBER "H2" at 361.86,248.75 h0.8; PIN_NUMBER "H1" at 360.86,248.75 h0.8; PIN_NUMBER "G7" at 366.86,249.75 h0.8; PIN_NUMBER "G6" at 365.86,249.75 h0.8; PIN_NUMBER "G4" at 363.86,249.75 h0.8; PIN_NUMBER "G3" at 362.86,249.75 h0.8; PIN_NUMBER "G1" at 360.86,249.75 h0.8; PIN_NUMBER "F5" at 364.86,250.75 h0.8; PIN_NUMBER "F3" at 362.86,250.75 h0.8; PIN_NUMBER "J1" at 360.86,247.75 h0.8; PIN_NUMBER "H8" at 367.86,248.75 h0.8; PIN_NUMBER "H6" at 365.86,248.75 h0.8; PIN_NUMBER "H5" at 364.86,248.75 h0.8; PIN_NUMBER "H4" at 363.86,248.75 h0.8; PIN_NUMBER "H3" at 362.86,248.75 h0.8; PIN_NUMBER "F2" at 361.86,250.75 h0.8; PIN_NUMBER "D2" at 361.86,252.75 h0.8; PIN_NUMBER "D1" at 360.86,252.75 h0.8; PIN_NUMBER "C1" at 360.86,253.75 h0.8; PIN_NUMBER "B3" at 362.86,254.75 h0.8; PIN_NUMBER "B2" at 361.86,254.75 h0.8; PIN_NUMBER "B1" at 360.86,254.75 h0.8; PIN_NUMBER "A5" at 364.86,255.75 h0.8; PIN_NUMBER "A4" at 363.86,255.75 h0.8; PIN_NUMBER "A3" at 362.86,255.75 h0.8; PIN_NUMBER "F1" at 360.86,250.75 h0.8; PIN_NUMBER "E4" at 363.86,251.75 h0.8; PIN_NUMBER "E3" at 362.86,251.75 h0.8; PIN_NUMBER "E1" at 360.86,251.75 h0.8; PIN_NUMBER "D4" at 363.86,252.75 h0.8; PIN_NUMBER "D3" at 362.86,252.75 h0.8; PIN_NUMBER "A2" at 361.86,255.75 h0.8; PIN_NUMBER "B8" at 367.86,254.75 h0.8; PIN_NUMBER "A8" at 367.86,255.75 h0.8; PIN_NUMBER "D9" at 368.86,252.75 h0.8; PIN_NUMBER "C9" at 368.86,253.75 h0.8; PIN_NUMBER "B6" at 365.86,254.75 h0.8; PIN_NUMBER "A6" at 365.86,255.75 h0.8; PIN_NUMBER "D7" at 366.86,252.75 h0.8; PIN_NUMBER "C7" at 366.86,253.75 h0.8; PIN_NUMBER "A12" at 371.54,255.75 h0.8; PIN_NUMBER "A10" at 369.54,255.75 h0.8; PIN_NUMBER "B10" at 369.54,254.75 h0.8; PIN_NUMBER "B12" at 371.54,254.75 h0.8; PIN_NUMBER "W19" at 378.54,237.75 h0.8; PIN_NUMBER "R18" at 377.54,241.75 h0.8; PIN_NUMBER "P14" at 373.54,242.75 h0.8; PIN_NUMBER "M12" at 371.54,244.75 h0.8; PIN_NUMBER "M14" at 373.54,244.75 h0.8; PIN_NUMBER "L13" at 372.54,245.75 h0.8; PIN_NUMBER "L18" at 377.54,245.75 h0.8; PIN_NUMBER "K14" at 373.54,246.75 h0.8; PIN_NUMBER "J15" at 374.54,247.75 h0.8; PIN_NUMBER "G18" at 377.54,249.75 h0.8; PIN_NUMBER "C6" at 365.86,253.75 h0.8; PIN_NUMBER "D6" at 365.86,252.75 h0.8; PIN_NUMBER "E7" at 366.86,251.75 h0.8; PIN_NUMBER "C8" at 367.86,253.75 h0.8; PIN_NUMBER "B7" at 366.86,254.75 h0.8; PIN_NUMBER "J9" at 368.86,247.75 h0.8; PIN_NUMBER "D10" at 369.54,252.75 h0.8; PIN_NUMBER "K10" at 369.54,246.75 h0.8; PIN_NUMBER "E11" at 370.54,251.75 h0.8; PIN_NUMBER "J11" at 370.54,247.75 h0.8; PIN_NUMBER "L11" at 370.54,245.75 h0.8; PIN_NUMBER "C12" at 371.54,253.75 h0.8; PIN_NUMBER "K12" at 371.54,246.75 h0.8; PIN_NUMBER "F13" at 372.54,250.75 h0.8; PIN_NUMBER "J13" at 372.54,247.75 h0.8; PIN_NUMBER "C14" at 373.54,253.75 h0.8; PIN_NUMBER "E14" at 373.54,251.75 h0.8; PIN_NUMBER "E15" at 374.54,251.75 h0.8; PIN_NUMBER "C16" at 375.54,253.75 h0.8; PIN_NUMBER "D16" at 375.54,252.75 h0.8; PIN_NUMBER "V4" at 363.86,238.75 h0.8; PIN_NUMBER "R5" at 364.86,241.75 h0.8; PIN_NUMBER "M10" at 369.54,244.75 h0.8; PIN_NUMBER "L5" at 364.86,245.75 h0.8; PIN_NUMBER "L9" at 368.86,245.75 h0.8; PIN_NUMBER "H7" at 366.86,248.75 h0.8; PIN_NUMBER "G5" at 364.86,249.75 h0.8; PIN_NUMBER "U7" at 366.86,239.75 h0.8; PIN_NUMBER "W7" at 366.86,237.75 h0.8; PIN_NUMBER "P10" at 369.54,242.75 h0.8; PIN_NUMBER "V10" at 369.54,238.75 h0.8; PIN_NUMBER "P12" at 371.54,242.75 h0.8; PIN_NUMBER "V14" at 373.54,238.75 h0.8; PIN_NUMBER "W16" at 375.54,237.75 h0.8; PIN_NUMBER "A17" at 376.54,255.75 h0.8; PIN_NUMBER "A9" at 368.86,255.75 h0.8; PIN_NUMBER "B18" at 377.54,254.75 h0.8; PIN_NUMBER "B5" at 364.86,254.75 h0.8; PIN_NUMBER "B17" at 376.54,254.75 h0.8; PIN_NUMBER "B15" at 374.54,254.75 h0.8; PIN_NUMBER "B11" at 370.54,254.75 h0.8; PIN_NUMBER "AA22" at 381.22,235.75 h0.8; PIN_NUMBER "A11" at 370.54,255.75 h0.8; PIN_NUMBER "AA13" at 372.22,235.75 h0.8; PIN_NUMBER "A22" at 381.54,255.75 h0.8; PIN_NUMBER "U2" at 361.86,239.75 h0.8; PIN_NUMBER "J2" at 361.86,247.75 h0.8; PIN_NUMBER "AA5" at 364.54,235.75 h0.8; PIN_NUMBER "AA9" at 368.54,235.75 h0.8; PIN_NUMBER "U21" at 380.54,239.75 h0.8; PIN_NUMBER "N21" at 380.54,243.75 h0.8; PIN_NUMBER "E21" at 380.54,251.75 h0.8; PIN_NUMBER "E2" at 361.86,251.75 h0.8; PIN_NUMBER "J21" at 380.54,247.75 h0.8; PIN_NUMBER "AB22" at 381.22,234.75 h0.8; PIN_NUMBER "A13" at 372.54,255.75 h0.8; PIN_NUMBER "AA17" at 376.22,235.75 h0.8; PIN_NUMBER "AB1" at 360.54,234.75 h0.8; PIN_NUMBER "N2" at 361.86,243.75 h0.8; PIN_NUMBER "A1" at 360.86,255.75 h0.8; PIN_NUMBER "N13" at 372.54,243.75 h0.8; PIN_NUMBER "N17" at 376.54,243.75 h0.8; PIN_NUMBER "N9" at 368.86,243.75 h0.8; PIN_NUMBER "N11" at 370.54,243.75 h0.8; PIN_NUMBER "T16" at 375.54,240.75 h0.8; PIN_NUMBER "P15" at 374.54,242.75 h0.8; PIN_NUMBER "U17" at 376.54,239.75 h0.8; PIN_NUMBER "C5" at 364.86,253.75 h0.8; PIN_NUMBER "F7" at 366.86,250.75 h0.8; PIN_NUMBER "F8" at 367.86,250.75 h0.8; PIN_NUMBER "C4" at 363.86,253.75 h0.8; PIN_NUMBER "D17" at 376.54,252.75 h0.8; PIN_NUMBER "A19" at 378.54,255.75 h0.8; PIN_NUMBER "A18" at 377.54,255.75 h0.8; PIN_NUMBER "C17" at 376.54,253.75 h0.8; PIN_NUMBER "E5" at 364.86,251.75 h0.8; PIN_NUMBER "E6" at 365.86,251.75 h0.8; PIN_NUMBER "H14" at 373.54,248.75 h0.8; PIN_NUMBER "G15" at 374.54,249.75 h0.8; PIN_NUMBER "H13" at 372.54,248.75 h0.8; PIN_NUMBER "G13" at 372.54,249.75 h0.8; PIN_NUMBER "E16" at 375.54,251.75 h0.8; PIN_NUMBER "F16" at 375.54,250.75 h0.8; PIN_NUMBER "F14" at 373.54,250.75 h0.8; PIN_NUMBER "F15" at 374.54,250.75 h0.8; PIN_NUMBER "H12" at 371.54,248.75 h0.8; PIN_NUMBER "G11" at 370.54,249.75 h0.8; PIN_NUMBER "G9" at 368.86,249.75 h0.8; PIN_NUMBER "F10" at 369.54,250.75 h0.8; PIN_NUMBER "H10" at 369.54,248.75 h0.8; PIN_NUMBER "H11" at 370.54,248.75 h0.8; PIN_NUMBER "G8" at 367.86,249.75 h0.8; PIN_NUMBER "F9" at 368.86,250.75 h0.8; PIN_NUMBER "D5" at 364.86,252.75 h0.8
U13: PIN_NUMBER "7" at 230.637,244.025 h0.64 r90; PIN_NUMBER "8" at 230.617,244.685 h0.64 r90; PIN_NUMBER "3" at 225.997,243.38 h0.64 r90; PIN_NUMBER "6" at 230.637,243.36 h0.64 r90; PIN_NUMBER "5" at 230.647,242.74 h0.64 r90; PIN_NUMBER "2" at 225.992,244.04 h0.64 r90; PIN_NUMBER "1" at 225.992,244.665 h0.64 r90; PIN_NUMBER "4" at 226.002,242.725 h0.64 r90; PIN_NUMBER "9" at 227.992,242.23 h0.64 r90
U14: PIN_NUMBER "7" at 291.637,244.025 h0.64 r90; PIN_NUMBER "8" at 291.617,244.685 h0.64 r90; PIN_NUMBER "3" at 286.997,243.38 h0.64 r90; PIN_NUMBER "6" at 291.637,243.36 h0.64 r90; PIN_NUMBER "5" at 291.647,242.74 h0.64 r90; PIN_NUMBER "2" at 286.992,244.04 h0.64 r90; PIN_NUMBER "1" at 286.992,244.665 h0.64 r90; PIN_NUMBER "4" at 287.002,242.725 h0.64 r90; PIN_NUMBER "9" at 288.992,242.23 h0.64 r90
U15: PIN_NUMBER "7" at 352.637,244.025 h0.64 r90; PIN_NUMBER "8" at 352.617,244.685 h0.64 r90; PIN_NUMBER "3" at 347.997,243.38 h0.64 r90; PIN_NUMBER "6" at 352.637,243.36 h0.64 r90; PIN_NUMBER "5" at 352.647,242.74 h0.64 r90; PIN_NUMBER "2" at 347.992,244.04 h0.64 r90; PIN_NUMBER "1" at 347.992,244.665 h0.64 r90; PIN_NUMBER "4" at 348.002,242.725 h0.64 r90; PIN_NUMBER "9" at 349.992,242.23 h0.64 r90